# Allegro board DPU_PoE_A1_Sep27.brd (continued)
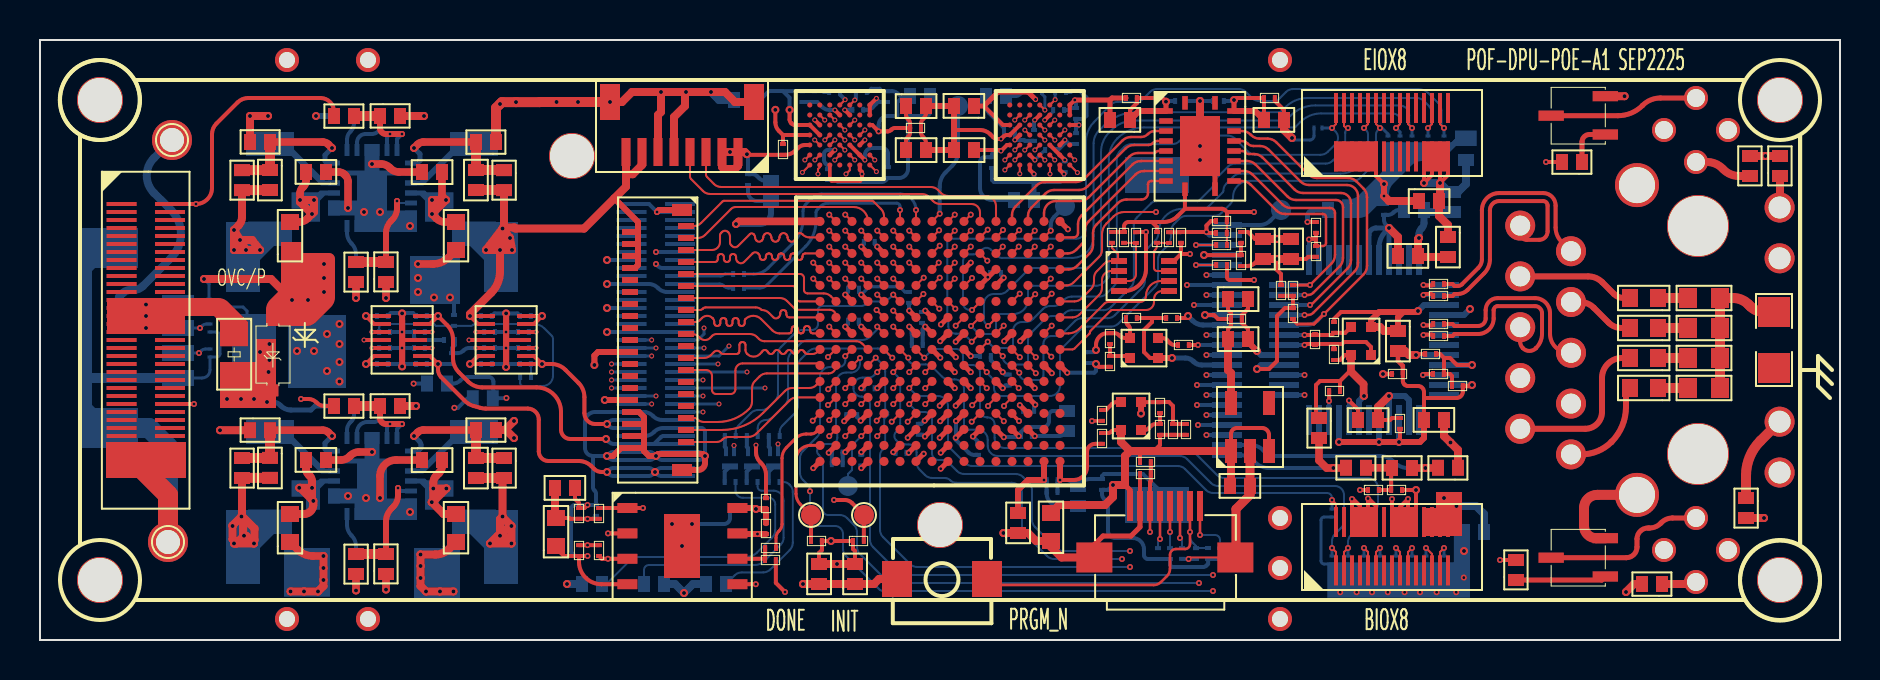
[diagram p0: board, top side]
## Routing (per net, layer and track width the routed paths; a pad name or vN(x,y) marks a point on that pad's centre or on a via; arc(x,y) is an arc through that point) (continued)
P1V0: length 113.5
  TOP w0.25: U7.D9 v1(44.23,10.96) ; U7.C7 v1(45.78,10.11) ; U7.C4 v1(48.94,10.19) ; v1(44.26,16.47) U7.K9 ; v1(43.46,15.67) U7.J10 ; v1(45.8,10.95) 45.82,10.95 U7.D7 ; U7.B15 v1(39.44,9.36) ; U7.H7 v1(46.54,14.19) ; U7.C5 v1(48.19,10.14)
  TOP w0.3: C60.2 48.9,7.5 49.4,8 v1(50.2,8) U7.A2
  TOP w0.4: v3(9.7,20.5) v3(9.7,19.5) ; v3(9.7,20.5) 9.93,20.73 arc(10.05,20.92) 10.1,21.14 R8.2 ; v3(9.7,20.5) v3(10,20) ; v3(9.7,19.5) v3(10.3,19.5) ; v3(9.7,19.5) v3(10,20) ; v3(10.3,19.5) v3(10,20) ; v3(10.3,19.5) v3(11,19.5) 10.6,20 v3(10,20)
  TOP w0.5: C15.2 11.49,22.5 R8.2
  VCC-4 w0.15: 44.96,13.39 45.1,13.25 45.1,12.65 44.62,12.17 44.62,11.42 44.53,11.33 ; 44.96,13.39 44.59,13.02 44.59,12.99 43.99,12.99 43.86,12.86 43.86,11.34 ; 44.96,13.39 44.62,13.73 44.62,14.37 44.78,14.53 46.17,14.53 46.19,14.52 ; 44.96,13.39 45.34,13.77 46.11,13.77 v1(46.54,14.19) ; v1(46.54,14.19) 46.98,14.63 46.98,16.12 47.29,16.44 47.29,16.66 46.8,17.15 44.78,17.15 44.26,16.63 v1(44.26,16.47) 44.56,16.17 45.93,16.17 46.19,15.91 46.19,14.52 ; v1(46.54,14.19) 46.51,14.19 46.19,14.52 ; 42.9,10.5 42.98,10.59 42.98,11.14 43.19,11.34 43.86,11.34 ; 42.9,10.5 43.77,10.5 v1(44.23,10.96) ; 42.9,10.5 42.4,10 ; 42.9,10.5 42.5,10.5 42.4,10.4 ; 42.4,10 42.4,10.4 ; 42.4,10 42.19,9.79 39.86,9.79 v1(39.44,9.36) 38.85,9.95 38.85,10.36 39.05,10.57 42.23,10.57 42.4,10.4 ; 43.86,11.34 v1(44.23,10.96) ; 44.53,11.33 45.42,11.33 v1(45.8,10.95) ; 44.53,11.33 44.23,11.04 v1(44.23,10.96) ; v1(44.23,10.96) 44.65,10.55 45.78,10.55
  VCC-4 w0.3: v1(45.8,10.95) 45.78,10.93 v1(45.78,10.11) 45.78,9.61 45.95,9.45 48.17,9.45 ; 48.17,9.45 48.94,9.45 ; 48.17,9.45 48.2,9.48 48.2,10.13 v1(48.19,10.14) ; 48.94,9.45 v1(48.94,10.19) ; 48.94,9.45 48.94,9.06 50,8 v1(50.2,8) ; v3(10.3,19.5) v3(11,19.5) 12.8,19.5 13.4,20.1 16.4,20.1 16.8,19.7 19.25,19.7 21.7,17.25 35.75,17.25 38.15,14.85 42.85,14.85 43.46,15.46 v1(43.46,15.67) v1(44.26,16.47) ; v3(10.3,19.5) v3(9.7,19.5) ; v3(10.3,19.5) 10,19.8 v3(10,20) 9.7,20.3 v3(9.7,20.5)
  BOTTOM w0.2: C134.2 39.59,9.36 C131.1 39.44,9.37 v1(39.44,9.36) ; 50.21,7.99 v1(50.2,8) ; 50.21,7.99 50.33,7.87 C136.1 50.33,7.33 arc(50.52,6.88) 50.96,6.7 C138.1 ; 50.21,7.99 C135.2 ; v1(43.46,15.67) 43.59,15.54 C111.1 43.59,15.34 C113.2 ; v1(46.54,14.19) 46.54,14.2 C116.1 ; v1(48.19,10.14) 48.2,10.15 48.89,10.15 v1(48.94,10.19) 48.94,10.29 49.3,10.65 50.15,10.65 arc(50.36,10.74) 50.45,10.95 50.45,11.25 arc(50.51,11.39) 50.65,11.45 C127.1 ; v1(45.8,10.95) 45.8,10.13 v1(45.78,10.11) 45.78,10.02 46.43,9.37 arc(46.56,9.29) 46.71,9.26 C130.2 ; v1(44.23,10.96) 44.08,10.81 C128.1 ; C105.1 44.2,16.4 v1(44.26,16.47)
P1V5: length 7.9
  TOP w0.2: C29.1 59.55,16.35 59.4,16.5 C34.1 ; C29.1 58.9,16.05 58.7,16.25 v3(58.25,16.25) ; C29.1 59.55,15.7 59.4,15.55 C48.1
  TOP w0.4: U8.5 59.55,13.35 59.4,13.5 C48.1
  BOTTOM w0.25: J6.10 v3(58.25,16.25)
P1V8: length 448.4
  TOP w0.102: 34.8,24.4 34.82,24.4 ; C18.2 C19.2 59.34,19.76 R16.1
  TOP w0.2: 47.2,26.7 48.15,25.75 U2.C1 ; R89.1 55,9.35 54.9,9.45 ; U2.D2 v2(48.74,25) ; 57.25,21.56 56.88,21.19 arc(56.56,20.98) 56.17,20.9 55.6,20.9 ; 57.25,21.56 57.25,22.45 57.25,22.45 U3.10 ; 57.25,21.56 59.1,21.56 arc(59.18,21.54) 59.26,21.49 59.35,21.4 ; J2.27 v3(70,22.85) 70.4,23.25 J2.29 ; v1(60.7,21.4) 59.35,21.4 ; 59.35,21.4 59.35,20.96 C18.2 ; v3(56.3,26.92) 56.12,27.1 C1.2 54.84,26.84 54.5,26.5 C7.1 ; C139.2 C47.2 R39.2 56,9.75 55.7,9.45 ; v3(37.48,26.5) 37.48,26.03 arc(37.5,25.93) 37.55,25.85 37.58,25.82 arc(37.66,25.77) 37.76,25.75 U1.C1 U1.D2 ; v2(51.24,24) U2.F6 U2.E5 ; U1.E1 38.25,24.75 arc(38.07,24.71) 37.91,24.61 37.77,24.47 arc(37.53,24.31) 37.25,24.26 C10.2 35.38,24.26 v3(35.35,24.29) ; C9.2 43.5,25.59 43.5,25.37 arc(43.48,25.26) 43.41,25.16 43.39,25.14 arc(43.32,25.04) 43.3,24.93 C11.1 ; C9.2 42.75,25.6 arc(42.66,25.58) 42.58,25.53 42.55,25.5 arc(42.47,25.45) 42.38,25.43 v1(41.93,25.43) 41.61,25.75 U1.C7 ; C9.2 43.5,25.61 43.5,25.83 arc(43.48,25.94) 43.41,26.04 43.39,26.06 arc(43.32,26.16) 43.3,26.27 C3.1 ; 55.6,20.9 54.43,20.9 arc(54.27,20.83) 54.2,20.67 R12.1 R11.1 ; 55.6,20.9 55.85,20.65 R14.1 ; U1.E5 U1.F6 v2(41.24,24) ; U2.F3 v2(49.74,24) ; U4.8 56.59,18.95 arc(56.69,18.97) 56.77,19.02 57.05,19.3 ; v3(57.4,16.2) 57.3,16.1 C31.1 ; C49.1 53.41,10.35 arc(53.49,10.37) 53.56,10.41 53.59,10.44 arc(53.66,10.48) 53.74,10.5 Y4.4 ; C146.2 40.75,4.45 40.65,4.55 R48.1 v3(39.55,4.95) R53.2 39.1,4.94 39.1,4.5 38.95,4.35 C66.2 ; U2.C7 v2(51.95,25.75) ; C22.2 57.05,19.3 ; 57.05,19.3 v1(57.5,19.3) ; C63.2 26.45,6.1 26.49,6.06 C59.2 v1(27.38,6.06) R51.2 ; v3(52.8,14.5) 52.8,14.76 arc(52.97,15.17) 53.39,15.34 R28.2 53.7,15.34 arc(53.84,15.32) 53.96,15.24 53.99,15.21 arc(54.11,15.13) 54.25,15.1 Y3.4 54.5,15.53 arc(54.48,15.64) 54.41,15.74 54.37,15.78 arc(54.32,15.86) 54.3,15.96 C30.1 ; J2.23 v3(69.2,22.85) 69.6,23.25 J2.25 ; U8.1 59.55,10.3 arc(59.64,10.51) 59.85,10.6 61.1,10.6 arc(61.35,10.5) 61.45,10.25 U8.3 ; U2.B5 v2(50.24,26) ; C12.2 48,24.5 v2(48.05,24.45) 48.35,24.75 U2.E1 ; C64.2 v1(27.38,4.74) R55.2 ; v1(60.7,18) 59.5,18 arc(59.39,18.04) 59.35,18.15 R17.1 ; U1.B5 v2(40.24,26.5) ; U1.F3 v2(39.74,24.5) ; U5.2 16.7,15.8 v3(16.3,16.2) U5.1
  TOP w0.25: v1(41.03,10.96) U7.D13 ; U7.E3 v1(49.77,11.77) ; v1(41.86,19.67) U7.P12 ; J5.8 54.5,7.5 54.25,7.75 ; U7.M6 47.35,18.08 47.35,18.1 v1(47.39,18.14) ; U7.K10 v1(43.46,16.47) ; U7.C8 v1(44.98,10.11) ; U7.F13 v1(41.06,12.59) ; v1(40.26,17.27) U7.L14 ; v1(41.06,15.67) U7.J13 ; v1(47.39,18.14) U7.N6 ; v1(47.39,18.14) 47.41,18.14 U7.N5 ; v1(46.54,13.39) U7.G7 ; C4.1 47.2,26.7 47.9,27.4 49.41,27.4 v2(49.78,27.03) ; U7.B13 v1(41.06,9.39) ; v1(48.21,14.94) U7.J4 ; v1(45.05,15.78) U7.K8 ; U3.2 v3(56.3,26.92) ; v1(48.14,12.59) U7.F5 ; U7.F8 v1(45.74,12.59) ; U7.F7 v1(46.54,12.59) ; v1(42.66,9.39) U7.B11
  TOP w0.3: C7.1 54.95,26.45 U3.2 ; R52.2 C57.1 v3(35.8,6.55) 35.75,6.6 U9.8 ; Y1.30 v3(28.24,12) ; v3(27.72,13.75) 27.72,14.22 27.9,14.4 Y1.22
  TOP w0.4: C89.1 70.4,20.75 69.95,21.2 C17.2 70,22 v3(70,22.85) ; v3(10.07,6.17) 10.1,6.2 R46.2 ; v3(10.07,6.17) 10.13,6.17 10.73,5.57 10.73,5 10.7,4.97 v3(10.7,4.83) ; v3(10.07,6.17) 10.1,6.15 10.1,5.97 10.15,5.92 10.15,5.26 v3(10.2,5.22) ; v3(10.07,6.17) 9.63,5.73 v3(9.63,5.7) 9.63,5.04 9.7,4.97 v3(9.7,4.83) 9.81,4.83 ; v3(10.2,5.22) 10.31,5.22 v3(10.7,4.83) ; v3(10.2,5.22) 9.81,4.83 ; C63.2 25.75,6.15 C55.2 ; 54.5,9.45 54.05,9.9 Y4.4 ; 54.5,9.45 54.25,9.2 54.25,7.75 v3(53.65,7.75) 53.65,7.15 53.25,6.75 50.95,6.75 C54.1 ; 54.5,9.45 U8.1 59.55,7.75 C65.2 ; 9.81,4.83 v3(10.7,4.83) ; C146.2 v3(39.85,3.8) C66.2 ; 34.8,24.4 v3(34.5,24.4) J1.2 34.1,23.65 34.2,23.55 34.75,23.55 34.9,23.7 J1.1 ; J1.1 34.82,24.4 ; J1.1 35.24,24.4 v3(35.35,24.29)
  TOP w0.5: C52.2 10.11,8.11 R46.2
  SIG-3 w0.3: 10.07,7.2 11.02,6.26 11.02,6.03 ; 10.07,7.2 10.07,7.2 ; 10.07,7.2 10.07,7.82 arc(10.43,8.69) 11.3,9.05 15.15,9.05 arc(15.5,9.2) 15.65,9.55 15.65,10.78 arc(15.76,11.35) 16.09,11.84 16.86,12.61 arc(17.19,13.1) 17.3,13.67 17.3,15.9 arc(17.21,16.11) 17,16.2 v3(16.3,16.2) ; 11.02,6.03 v3(10.2,5.22) ; 11.02,6.03 11.25,5.8 arc(11.34,5.59) 11.25,5.38 v3(10.7,4.83) ; v3(10.07,6.17) 10.07,6.18 10.07,7.2 ; 10.07,7.2 9.1,6.23 ; 9.1,6.23 v3(9.63,5.7) ; 9.1,6.23 8.92,6.05 arc(8.82,5.9) 8.79,5.73 8.79,5.48 arc(8.98,5.02) 9.44,4.83 v3(9.7,4.83)
  SIG-3 w0.4: 54.11,19.55 55.07,19.55 arc(55.84,19.7) 56.49,20.14 57.16,20.81 arc(57.81,21.25) 58.58,21.4 v1(60.7,21.4) v1(60.7,18) ; 54.11,19.55 54.11,15.94 54.17,15.88 ; 54.11,19.55 54.11,25.96 arc(54.39,26.64) 55.07,26.92 v3(56.3,26.92) 56.84,26.38 arc(57.37,26.02) 58,25.9 58.43,25.9 arc(59.2,25.75) 59.85,25.31 60.47,24.69 arc(61.12,24.25) 61.89,24.1 67.12,24.1 arc(67.89,23.95) 68.54,23.51 v3(69.2,22.85) v3(70,22.85) ; 54.17,15.88 56.89,15.88 arc(57.06,15.91) 57.21,16.01 v3(57.4,16.2) ; 54.17,15.88 v3(52.8,14.5)
  VCC-4 w0.102: v3(9.7,4.83) 9.81,4.83 ; v2(51.24,24) 50.89,23.65 50.09,23.65 v2(49.74,24) 49.75,24 50.2,24.45 51.03,24.45 51.24,24.24
  VCC-4 w0.127: 50.9,25.65 50.6,25.65 50.25,26 v2(50.24,26) 50.74,26.5 51.45,26.5 51.6,26.35 50.9,25.65
  VCC-4 w0.15: v1(48.14,12.59) 47.69,12.15 46.9,12.15 46.54,12.51 v1(46.54,12.59) ; v1(48.14,12.59) 48.56,12.17 49.36,12.17 v1(49.77,11.77) ; v1(48.14,12.59) 48.54,13 ; v1(46.54,12.59) 46.59,12.59 47,13 48.54,13 ; v1(46.54,12.59) v1(46.54,13.39) v1(45.74,12.59) v1(46.54,12.59) ; 40.91,13.16 41.5,13.75 43.6,13.75 43.81,13.96 43.81,14.52 45.05,15.74 v1(45.05,15.78) ; 42.26,19.27 v1(41.86,19.67) ; 42.26,19.27 46.9,19.27 47.19,19.55 47.52,19.55 47.95,19.12 47.95,18.7 v1(47.39,18.14) 47.04,18.49 44.56,18.49 44.4,18.65 43.98,18.65 43.5,18.17 43.5,17.25 43.12,16.87 43.06,16.87 ; 42.26,19.27 42.26,16.91 42.25,16.9 ; 43.06,16.87 v1(43.46,16.47) ; 43.06,16.87 42.28,16.87 42.25,16.9 ; 48.54,13 50.15,13 51.38,11.77 ; v1(41.03,10.96) 40.66,11.34 40.66,12.19 v1(41.06,12.59) ; 51.6,26.35 51.95,26 ; 42.25,16.9 42.23,16.88 41.28,16.88 40.86,16.46
  VCC-4 w0.16: v1(41.06,12.59) 41.06,12.59 41.46,12.19 41.46,11.39 v1(41.03,10.96)
  VCC-4 w0.2: 43.95,8.3 44.61,8.96 44.61,9.74 v1(44.98,10.11) ; v1(49.77,11.77) 51.38,11.77 ; 40.91,13.16 41.06,13.01 v1(41.06,12.59) ; v2(51.24,24) 51.24,24.24 51.95,24.95 v2(51.95,25.75) 51.95,26 52,26 52.85,26.85 ; v1(42.66,9.39) 42.66,9 ; 42.66,9 41.46,9 v1(41.06,9.39) ; 42.66,9 42.66,8.59 42.95,8.3
  VCC-4 w0.25: 47.85,25.89 48.01,25.89 48.74,25.16 v2(48.74,25) ; 47.85,25.89 47.39,25.89 47.05,25.55 47.05,24.85 47.45,24.45 v2(48.05,24.45) ; 47.85,25.89 47.85,27 ; v3(34.5,24.4) 35.24,24.4 v3(35.35,24.29) 35.56,24.5 37.25,24.5 ; 37.25,24.5 37.48,24.73 v3(37.48,26.5) 38.21,26.5 39.28,27.58 42.3,27.58 42.9,26.98 42.9,26.25 ; 37.25,24.5 v2(39.74,24.5) ; 37.15,7.35 37.15,8.25 37.75,8.85 37.75,12.05 39,13.3 40.77,13.3 40.91,13.16 ; 42.9,26.25 41.93,26.25 ; 42.9,26.25 43.95,26.25 44.7,27 47.85,27 ; 41.93,26.25 41.68,26.5 v2(40.24,26.5) ; 41.93,26.25 v1(41.93,25.43) 41.93,24.93 41.24,24.24 v2(41.24,24) ; 47.85,27 49.75,27 v2(49.78,27.03)
  VCC-4 w0.3: v1(27.38,4.74) 27.38,5.45 ; 27.38,5.45 v1(27.38,6.06) ; 27.38,5.45 26.45,5.45 25.65,6.25 25.65,8.05 ; 49.45,16.6 49.5,16.55 49.5,16.25 48.75,15.5 48.7,15.5 48.21,15.01 v1(48.21,14.94) ; 49.45,16.6 51.3,16.6 ; 49.45,16.6 48.5,16.6 47.39,17.71 v1(47.39,18.14) ; 51.3,16.6 52.5,16.6 53.1,16 ; 51.3,16.6 52,15.9 52,12.38 51.38,11.77 51.38,9.41 51.98,8.82 51.98,8.25 ; v2(49.78,27.03) 50.35,27.6 52.1,27.6 52.85,26.85 52.91,26.92 v3(56.3,26.92) ; 25.65,8.05 22.8,8.05 20.1,5.35 17.3,5.35 17,5.65 13.1,5.65 12.95,5.5 10.75,5.5 10.7,5.55 ; 25.65,8.05 27.1,8.05 27.65,7.5 35.4,7.5 ; v3(10.7,4.83) 10.31,5.22 v3(10.2,5.22) ; v3(10.7,4.83) 10.7,5.55 ; v3(10.7,4.83) 9.81,4.83 v3(10.2,5.22) ; 53.1,16 52.8,15.7 v3(52.8,14.5) ; 53.1,16 56,16 56.3,16.3 56.3,17.3 ; 51.98,8.25 51.98,7.38 51.4,6.8 48.85,6.8 47.75,7.9 44.35,7.9 43.95,8.3 42.9,8.3 40.7,6.1 39.55,6.1 ; 51.98,8.25 52.48,7.75 v3(53.65,7.75) ; 10.7,5.55 v3(10.07,6.17) ; v3(10.2,5.22) 10.07,5.34 v3(10.07,6.17) ; 35.4,7.5 35.8,7.1 35.8,6.55 v3(35.8,6.55) ; 35.4,7.5 37,7.5 38.4,6.1 39.55,6.1 ; v1(40.26,17.27) 40.26,17.06 41.06,16.26 v1(41.06,15.67) ; v1(60.7,18) v1(60.7,21.4) 57.6,21.4 56.3,20.1 56.3,18.5 ; v3(9.7,4.83) 9.63,4.9 v3(9.63,5.7) 9.63,5.73 v3(10.07,6.17) ; 39.55,6.1 v3(39.55,4.95) ; 56.3,17.3 v3(57.4,16.2) ; 56.3,17.3 56.3,18.5 ; 56.3,18.5 57.1,19.3 v1(57.5,19.3)
  BOTTOM w0.102: 58.41,4.05 R50.2
  BOTTOM w0.15: v2(49.74,24) 50.24,24.5 C83.2 ; C76.2 50.66,26.42 v2(50.24,26)
  BOTTOM w0.2: v1(41.93,25.43) 41.93,25.73 arc(42.07,26.06) 42.4,26.2 C78.2 42.86,26.87 43.17,27.19 ; v1(41.06,15.67) 40.94,15.79 C106.2 ; C117.2 52.69,14.39 v3(52.8,14.5) ; 37.15,27.44 37.48,27.12 v3(37.48,26.5) ; 37.15,27.44 C72.2 C71.2 39.16,27.44 39.2,27.4 R64.2 ; 37.15,27.44 37.14,27.45 36.45,27.45 36,27 C6.2 ; C99.2 40.41,17.41 v1(40.26,17.27) ; C87.2 39.4,23.7 39.29,23.81 arc(39.22,23.91) 39.2,24.02 39.2,24.3 arc(39.26,24.44) 39.4,24.5 39.74,24.5 v2(39.74,24.5) ; C140.2 v3(35.8,6.55) ; C68.1 43.49,27.19 43.17,27.19 ; v2(51.24,24) 51.24,24 C85.2 ; v2(41.24,24) 41.24,24.24 arc(41.35,24.5) 41.6,24.6 42.1,24.6 arc(42.31,24.51) 42.4,24.3 C86.2 ; v1(27.38,6.06) 27.38,6.05 27.64,6.05 C141.2 ; 43.17,27.19 arc(43.02,27.22) 42.89,27.31 42.86,27.34 arc(42.74,27.42) 42.6,27.44 C70.2 42.1,27.44 41.98,27.56 41.57,27.56 41.41,27.4 R63.1 ; C79.2 48.74,25 v2(48.74,25) 49.2,25 49.24,24.96 C80.2 ; R61.1 51.54,27.4 51.59,27.45 51.99,27.45 52.32,27.13 52.32,26.21 52.16,26.05 51.81,26.05 C77.2 51.8,25.9 v2(51.95,25.75) 51.8,25.6 C81.2 ; v3(56.3,26.92) 56.33,26.95 C74.2 ; C67.1 48.78,27.2 arc(48.89,27.22) 48.99,27.29 49.01,27.31 arc(49.11,27.38) 49.22,27.4 R62.2 49.56,27.25 v2(49.78,27.03) ; v1(47.39,18.14) 47.51,18.26 C96.2 ; R85.1 58.41,4.05 58.41,3.81 58.31,3.71 arc(58.24,3.67) 58.16,3.65 56.6,3.65 56.5,3.75 R87.1 R88.1 55.4,4.05 arc(55.26,4.11) 55.2,4.25 55.2,4.54 arc(55.03,4.93) 54.64,5.1 53.75,5.1 arc(53.5,5.2) 53.4,5.45 53.4,6.66 arc(53.36,6.84) 53.26,6.99 53.21,7.04 arc(53.13,7.16) 53.1,7.31 C137.2 53.41,7.51 v3(53.65,7.75) ; v1(41.86,19.67) 41.74,19.79 C94.1 ; C126.2 40.86,11.14 v1(41.03,10.96) ; v3(35.35,24.29) 35.4,24.24 C88.2 35.6,23.29 arc(35.74,23.26) 35.87,23.18 35.95,23.09 arc(36.12,22.99) 36.3,22.95 C69.1 ; C104.1 v3(16.3,16.2) ; C75.2 40.24,26.51 v2(40.24,26.5) ; C100.2 43.45,16.48 v1(43.46,16.47) ; C124.2 41.07,12.59 v1(41.06,12.59) ; C90.1 47.6,22 arc(47.18,22.18) 47,22.6 47,23.9 arc(47.07,24.07) 47.24,24.14 C84.2 47.6,24.25 arc(47.66,24.39) 47.8,24.45 v2(48.05,24.45) ; v1(41.06,9.39) 41.06,9.27 C133.2 ; v1(48.14,12.59) 48.27,12.73 C123.2 ; C125.2 49.7,11.7 v1(49.77,11.77) ; C132.2 42.7,9.36 v1(42.66,9.39)
  BOTTOM w0.25: v3(57.4,16.2) 57.64,15.96 arc(57.87,15.8) 58.15,15.75 J6.11
  BOTTOM w0.4: v3(69.2,22.85) v3(70,22.85) 70.45,22.4 C5.2 70.9,22.4 71.3,22.8 C82.1
P2V8: length 96.2
  TOP w0.2: C24.1 60.75,20.05 60.4,20.4 FB1.1 ; J4.16 v1(67.6,7.05) ; J4.20 v1(68.4,7.05) 68,6.65 J4.18 ; FB3.1 v3(68.8,7.5) J4.22
  TOP w0.4: v3(23,5.22) 22.89,5.22 v3(22.5,4.83) v3(23.57,4.83) ; v3(23,5.22) 23,6.05 v3(23.13,6.17) ; v3(23,5.22) 23.48,5.7 v3(23.57,5.7) ; v3(23,5.22) 23.18,5.22 v3(23.57,4.83) ; C24.1 v3(61.85,20.05) C23.2 ; R47.2 23.13,8.03 v3(23.13,6.17) ; v3(23.57,5.7) 23.13,6.15 v3(23.13,6.17) ; v3(23.57,5.7) v3(23.57,4.83)
  TOP w0.5: C53.2 R47.2
  VCC-4 w0.3: v3(22.5,4.83) 22.5,5.6 23.07,6.17 v3(23.13,6.17) 23.13,6.15 ; v3(22.5,4.83) 22.89,5.22 v3(23,5.22) ; v3(22.5,4.83) v3(23.57,4.83) ; 59.6,10.95 65.5,10.95 66,10.45 66,9.2 67.55,7.65 67.55,7.1 v1(67.6,7.05) v1(68.4,7.05) 68.4,7.1 v3(68.8,7.5) ; 59.6,10.95 59.6,15.4 60.15,15.95 61.85,15.95 62.15,16.25 62.15,17.95 62.8,18.6 62.8,19.5 62.25,20.05 v3(61.85,20.05) ; 59.6,10.95 59.6,8.85 58,7.25 55.25,7.25 50.75,2.75 39.65,2.75 38.4,4 33.75,4 33.25,3.5 32.4,3.5 ; 32.4,3.5 30.4,3.5 29.7,2.8 v3(26.35,2.8) 25.4,2.8 23.57,4.63 v3(23.57,4.83) ; 32.4,3.5 32.4,2.55 v3(32.2,2.35) ; v3(23,5.22) 23.13,5.34 23.13,6.15 ; v3(23,5.22) 23.09,5.22 ; 23.13,6.15 v3(23.57,5.7) ; v3(23.57,5.7) 23.09,5.22 ; v3(23.57,5.7) v3(23.57,4.83) ; v3(23.57,4.83) 23.18,5.22 23.09,5.22
  BOTTOM w0.4: D19.2 31.75,2.8 v3(32.2,2.35) 32.65,2.8 D17.2 ; D18.2 v3(26.35,2.8)
P3V3: length 213.7
  TOP w0.2: v3(59.7,27) 59.8,27.1 C2.1 C8.2 ; U6.1 v3(21.5,16.2) 21.9,15.8 U6.2 ; J4.30 70.4,6.5 70.6,6.7 v3(70.82,6.7) ; J4.28 70,6.9 v3(70.2,7.1) ; U6.7 v3(21.5,13.8) 21.9,14.2 U6.6 ; R10.1 v1(63.37,20.9) ; C27.2 R21.2 R24.2 62.64,16.6 62.25,16.6 61.85,16.2 61.85,13.95 61.45,13.55 v3(60.85,13.55)
  TOP w0.22: FB2.1 v3(67.15,13.3)
  TOP w0.25: U3.19 v3(59.7,27)
  TOP w0.3: 29.9,19.8 29.9,19.2 ; 29.9,19.8 29.9,20.4 ; 29.9,19.8 Y1.4 ; 29.9,19.2 29.9,18.75 29.75,18.6 Y1.8 ; 29.9,19.2 Y1.6 ; 29.9,20.4 Y1.2 ; 29.9,20.4 29.9,20.9 28.72,22.08 ; U3.19 60.75,26.45 C8.2
  TOP w0.4: v3(23.5,20.1) v3(23,19.5) ; v3(23.5,20.1) v3(23.13,20.57) ; v3(23.5,20.1) v3(23.6,19.5) v3(23,19.5) ; v3(23.5,20.1) v3(22.3,19.5) ; v3(23,19.5) v3(22.3,19.5) ; v3(23,19.5) 23,18.42 arc(22.89,17.85) 22.56,17.36 21.5,16.3 v3(21.5,16.2) ; v3(23,19.5) v3(23.13,20.57) ; 29.3,23.29 J1.8 ; 29.3,23.29 29.64,23.29 30.1,23.75 J1.7 ; 29.3,23.29 29.3,22.67 27.2,20.57 23.77,20.57 23.72,20.63 23.28,20.63 23.23,20.57 v3(23.13,20.57) ; v3(23.13,20.57) v3(22.3,19.5) ; v3(23.13,20.57) 23.2,20.65 R9.2 ; R7.2 v3(86.27,24.2) R6.2 ; v3(79.3,2.4) 79.7,2.8 R60.2 ; v3(67.45,20.6) 67.9,20.15 C40.2 ; R49.2 v3(86.2,6.1)
  TOP w0.5: R9.2 23.2,22.5 C16.2
  SIG-3 w0.3: v3(21.5,16.2) arc(20.86,15.94) 20.6,15.3 20.6,14.7 arc(20.86,14.06) v3(21.5,13.8)
  SIG-3 w0.4: 26.91,20.77 26.88,20.8 26.13,20.8 ; 26.91,20.77 27.43,20.77 30.74,24.08 32.44,24.08 36.15,27.79 58.97,27.79 59.7,27.06 v3(59.7,27) ; 26.91,20.77 24.89,18.75 23.49,18.75 23,19.24 v3(23,19.5) ; v3(22.3,19.5) 22.3,21.15 23.05,21.9 25.03,21.9 26.13,20.8 ; v3(23.13,20.57) 23.13,20.68 23.78,21.33 24.54,21.33 25.07,20.8 ; 25.07,20.8 24.54,20.8 23.84,20.1 v3(23.5,20.1) ; 25.07,20.8 25.07,20.1 24.47,19.5 v3(23.6,19.5) ; 25.07,20.8 26.13,20.8
  VCC-4 w0.3: v3(59.7,27) 60.7,26 60.7,24.3 ; v3(79.3,2.4) 79.3,3 75.7,6.6 70.92,6.6 v3(70.82,6.7) 70.42,7.1 v3(70.2,7.1)
  VCC-4 w0.35: 85.3,23.4 86.1,24.2 v3(86.27,24.2)
  VCC-4 w0.38: v3(60.85,13.55) 62.15,13.55 62.6,14 64.85,14 65.55,13.3 v3(67.15,13.3) ; 71.7,6.6 71.7,10.6 70.55,11.75 69.25,11.75 67.7,13.3 v3(67.15,13.3) ; v3(67.15,13.3) 67.15,16.85 67.45,17.15 v3(67.45,20.6) 67.35,20.5 65.7,20.5 65.3,20.9 v1(63.37,20.9) 63.37,21.63 60.7,24.3 ; v3(23,19.5) v3(23.6,19.5) 23.6,20 v3(23.5,20.1) ; v3(23,19.5) 23.5,20 v3(23.5,20.1) ; v3(23,19.5) v3(22.3,19.5) 22.3,19.75 v3(23.13,20.57) 23.13,20.47 v3(23.5,20.1)
  VCC-4 w0.4: 85.33,15.47 85.33,16.54 85.3,16.57 85.3,23.4 ; 85.33,15.47 84.42,14.56 81.29,14.56 78.99,12.26 78.99,9.29 76,6.3 ; 85.33,15.47 85.33,6.97 v3(86.2,6.1)
  BOTTOM w0.2: C102.1 v3(21.5,16.2) ; C73.2 59.65,26.95 v3(59.7,27) ; v3(67.45,20.6) 67.31,20.74 arc(67.23,20.86) 67.2,21.01 C91.2 67.4,21.26 arc(67.54,21.28) 67.66,21.36 67.69,21.39 arc(67.81,21.47) 67.95,21.5 C92.1 ; C119.1 v3(21.5,13.8)
  BOTTOM w0.25: v3(67.45,20.6) 67.29,20.44 arc(67.04,20.06) 66.95,19.62 U12.44 ; v3(67.45,20.6) 66.8,20.6 arc(66.55,20.5) 66.45,20.25 U12.43 ; v3(67.45,20.6) U12.45 ; C93.1 63.7,21.5 arc(63.47,21.4) 63.37,21.17 v1(63.37,20.9)
  BOTTOM w0.3: U12.28 61.05,13.75 v3(60.85,13.55)
  BOTTOM w0.4: C142.1 72.2,6.3 71.8,6.7 v3(70.82,6.7) 70.6,6.7 v3(70.2,7.1)
P3V3A: length 28.6
  TOP w0.2: 69.2,12.1 C45.2 ; 69.2,12.1 69.2,12.4 arc(69.11,12.61) 68.9,12.7 68.39,12.7 arc(68.31,12.72) 68.24,12.76 68.21,12.79 arc(68.16,12.86) 68.14,12.95 FB2.2 ; 69.2,12.1 70.82,12.1 arc(71.05,12.2) 71.14,12.43 C41.2 ; v3(67.95,9.9) 68,9.95 C46.2 ; C37.2 68.85,14.3 v3(68.8,14.25)
  TOP w0.22: C36.2 67.9,13.95 68.14,13.71 FB2.2 ; v3(71.6,12.75) 71.55,12.7 C41.2
  TOP w0.3: v3(64.95,9.9) v3(66.95,9.9) v3(67.95,9.9) 69,9.9 69.2,10.1 C45.2
  TOP w0.4: v3(68.8,14.25) 68.45,14.25 68.25,14.45 C36.2
  SIG-3 w0.4: v3(71.6,12.75) 71.25,12.75 69.75,14.25 ; 69.75,14.25 71.5,16 v3(71.5,16.55) ; 69.75,14.25 v3(68.8,14.25)
  BOTTOM w0.3: U12.11 v3(71.6,12.75) ; v3(71.5,16.55) 71.2,16.25 U12.4 ; U12.17 v3(66.95,9.9) ; U12.21 v3(64.95,9.9) ; U12.15 v3(67.95,9.9) ; U12.8 v3(68.8,14.25)
P5V0: length 133.9
  TOP w0.2: U6.4 v2(21.45,15) ; U5.7 v3(16.3,13.8) 16.7,14.2 U5.6 ; U5.4 v2(16.2,15)
  TOP w0.38: v3(13.6,21.3) 13.37,21.07 arc(13.18,20.95) 12.96,20.9 C20.2 ; R18.1 v3(17.3,17.1) ; R57.1 v3(17.3,2.52) ; C14.2 20.1,22.2 v3(20.3,22) ; v3(19.6,21.3) 19.83,21.07 arc(20.02,20.95) 20.24,20.9 C21.2 ; v3(13,22) 13,22.33 arc(13.03,22.49) 13.12,22.62 13.18,22.68 arc(13.27,22.81) 13.3,22.97 C13.2
  TOP w0.4: 20.32,7.57 v3(19.66,7.57) ; 20.32,7.57 19.63,6.89 v3(19.59,6.89) ; 20.32,7.57 v3(20.32,7.58) ; v3(19.66,7.57) 19.66,7.86 arc(19.7,8.05) 19.81,8.21 19.95,8.35 arc(20.06,8.52) 20.1,8.71 C51.2 ; v3(19.66,7.57) 19.66,6.97 v3(19.59,6.89) ; v3(13.6,7.61) 13.6,7.93 arc(13.57,8.09) 13.48,8.22 13.42,8.28 arc(13.33,8.41) 13.3,8.57 C50.2 ; v3(13.6,7.61) 13.6,7.61 13.01,7.61 ; v3(13.6,7.61) 13.6,7.02 ; R35.2 v3(18.8,11.7) ; R1.2 v3(19.2,26.2) ; 13.6,7.02 13.01,7.61 ; 13.6,7.02 v3(13.67,6.95) 13.67,6.77 arc(13.53,6.44) 13.2,6.3 C61.2 ; 13.01,7.61 v3(12.96,7.61) ; v3(19.59,6.89) 20.18,6.3 C62.2 ; v3(13,22) v3(13.7,22) 13.7,21.4 v3(13.6,21.3) 13,21.9 v3(13,22) ; v3(19.6,22) v3(20.3,22) v3(19.6,21.3) v3(19.6,22)
  SIG-3 w0.4: v3(17.3,2.52) 17.3,4.8 arc(17.12,5.22) 16.7,5.4 14.2,5.4 arc(13.82,5.56) 13.67,5.93 v3(13.67,6.95) 13.67,7.54 v3(13.6,7.61) 13.6,7.61 v3(12.96,7.61)
  VCC-4 w0.102: v3(20.32,7.58) 20.32,7.57
  VCC-4 w0.2: v3(17.3,17.1) 17.3,14.1 17,13.8 v3(16.3,13.8) 15.79,14.31 15.79,14.59 v2(16.2,15) ; v2(21.45,15) 21.15,15 20.7,14.55 20.7,12.4 20,11.7 v3(18.8,11.7)
  VCC-4 w0.3: 12.96,10.35 12.96,10.56 13.75,11.35 15.91,11.35 16.26,11.7 16.26,12.35 ; 12.96,10.35 12.15,10.35 11.3,11.2 11.3,11.85 v3(11.35,11.9) ; 12.96,10.35 v3(12.96,7.61) ; v3(13.6,21.3) 13.6,21.4 ; v3(19.66,7.57) 19.63,7.57 18.8,8.4 14.39,8.4 v3(13.6,7.61) ; v3(19.66,7.57) 19.59,7.5 v3(19.59,6.89) 19.63,6.89 20.32,7.57 v3(19.66,7.57) ; 18.9,22.7 14.4,22.7 v3(13.7,22) ; 18.9,22.7 v3(19.6,22) ; 18.9,22.7 19.6,22.7 v3(20.3,22) ; v3(20.3,22) v3(19.6,22) ; v3(20.3,22) v3(19.6,21.3) v3(19.6,22) ; v3(13.6,7.61) 13.6,7.61 v3(12.96,7.61) ; v3(13.6,7.61) 13.6,7.02 v3(13.67,6.95) 13.62,6.95 v3(12.96,7.61) ; v3(18.8,11.7) 18.15,12.35 16.26,12.35 ; 16.26,12.35 16.26,13.76 v3(16.3,13.8)
  VCC-4 w0.38: 11.07,14.4 v3(11.47,14.8) v3(11.47,14) ; 11.07,14.4 v3(11.47,14) ; 11.07,14.4 v3(11,14.4) 10.9,14.3 10.9,13.95 11.43,13.42 v3(11.43,13.4) ; v3(11.47,14) 11.47,13.45 v3(11.43,13.4) ; v3(10.7,12.05) v3(10.05,12.05) v3(9.35,12.05) ; v3(10.7,12.05) 10.85,11.9 v3(11.35,11.9) 11.43,11.98 11.43,12.78 ; v3(10.7,12.05) 11.43,12.78 ; v3(11.43,13.4) 11.43,12.78
  VCC-4 w0.4: v3(13,22) 12.95,21.95 9.35,21.95 6.8,19.4 6.8,17.35 7.4,16.75 9.52,16.75 v3(11.47,14.8) ; v3(13,22) 13.6,21.4 13.6,21.9 v3(13.7,22) v3(13,22) ; v3(13,22) 13,25.4 v3(13.8,26.2) 14.05,26.45 18.95,26.45 v3(19.2,26.2)
  BOTTOM w0.15: C107.2 10.35,16.45 10.15,16.65 D20.2 8.13,16.65 arc(8.01,16.67) 7.91,16.74 7.89,16.76 arc(7.79,16.83) 7.67,16.85 J8.4
  BOTTOM w0.2: C121.1 v3(16.3,13.8)
  BOTTOM w0.25: R76.2 13.75,11.7 13.55,11.5 12.54,11.5 arc(12.27,11.55) 12.04,11.71 12.01,11.74 arc(11.83,11.86) 11.63,11.9 v3(11.35,11.9)
  BOTTOM w0.3: R65.2 v3(13.8,26.2) ; v3(19.2,26.2) R1.2
  BOTTOM w0.38: R57.1 v3(17.3,2.52) ; R18.1 v3(17.3,17.1)
  BOTTOM w0.4: R35.2 v3(18.8,11.7)
P5V0_IN: length 15.9
  BOTTOM w0.4: 3.9,16.2 3.9,16.73 3.95,16.77 ; 3.9,16.2 v3(5.3,16.2) ; 3.9,16.2 3.9,16 4.3,15.6 v3(5.3,15.6) ; 3.95,16.77 3.95,17.15 4.15,17.35 arc(4.32,17.46) 4.51,17.5 4.67,17.5 arc(4.93,17.55) 5.15,17.7 6.55,19.1 arc(7.05,20.3) 6.55,21.5 5.7,22.35 arc(5.34,23.23) 5.7,24.1 TP1.1 ; 3.95,16.77 v3(5.3,16.77)
ACTLED: length 30.1
  SIG-6 w0.15: v1(63.23,13.25) 64.34,13.25 arc(64.53,13.29) 64.7,13.4 66.05,14.75 arc(66.16,14.92) 66.2,15.11 66.2,17.19 arc(66.24,17.38) 66.35,17.55 67.65,18.85 arc(67.82,18.96) 68.01,19 69.89,19 arc(70.08,19.04) 70.25,19.15 70.35,19.25 arc(70.52,19.36) 70.71,19.4 74.59,19.4 arc(74.65,19.39) 74.69,19.36 75.91,18.14 arc(75.97,18.1) 76.04,18.09 78.21,18.09 arc(78.4,18.05) 78.55,17.95 78.95,17.55 arc(79.12,17.44) 79.31,17.4 85.08,17.4 arc(85.28,17.44) 85.44,17.55 U13.12
  BOTTOM w0.2: U12.27 v1(63.23,13.25)
BIO-1: length 48.2
  TOP w0.102: v1(43.46,11.79) U7.E10 ; v1(70.2,4.6) 70,4.4 J4.27
  SIG-6 w0.102: v1(70.2,4.6) 70.2,4.91 arc(70.28,5.12) 70.49,5.2 71.29,5.2 arc(71.48,5.24) 71.65,5.35 71.9,5.6 arc(72.01,5.77) 72.05,5.96 72.05,9.94 arc(72.01,10.13) 71.9,10.3 71.35,10.85 arc(71.18,10.96) 70.99,11 63.26,11 arc(63.07,10.96) 62.9,10.85 arc(62.87,10.83) 62.83,10.82 60.58,10.82 arc(60.39,10.78) 60.22,10.67 58.65,9.1 arc(58.54,8.93) 58.5,8.74 58.5,5 arc(58.37,4.68) 58.05,4.55 57.91,4.55 arc(57.85,4.54) 57.81,4.51 57.79,4.49 arc(57.75,4.46) 57.69,4.45 57.34,4.45 57.29,4.4 57.21,4.4 57.1,4.29 arc(56.99,4.22) 56.87,4.19 55.18,4.19 arc(55.02,4.22) 54.89,4.31 54.83,4.37 arc(54.74,4.43) 54.64,4.45 v1(54.5,4.45)
  BOTTOM w0.102: v1(43.46,11.79) 43.71,11.55 arc(43.87,11.44) 44.07,11.4 44.24,11.4 arc(44.49,11.29) 44.6,11.04 44.6,9.34 arc(44.7,9.1) 44.94,9 45.09,9 arc(45.28,8.96) 45.45,8.85 45.85,8.45 arc(46.02,8.34) 46.21,8.3 48.79,8.3 arc(48.98,8.26) 49.15,8.15 49.45,7.85 arc(49.56,7.68) 49.6,7.49 49.6,6.01 arc(49.64,5.82) 49.75,5.65 50.8,4.6 arc(50.97,4.49) 51.16,4.45 v1(54.5,4.45)
  BOTTOM w0.15: D16.2 v1(70.2,4.6)
BIO-2: length 26.8
  TOP w0.102: J4.2 64.8,6.8 v1(64.6,7) ; v1(43.46,12.59) U7.F10
  BOTTOM w0.102: v1(43.46,12.59) 43.71,12.35 arc(43.87,12.24) 44.07,12.2 44.89,12.2 arc(45.25,12.05) 45.4,11.69 45.4,9.91 arc(45.44,9.72) 45.55,9.55 46.25,8.85 arc(46.42,8.74) 46.61,8.7 56.89,8.7 arc(57.08,8.66) 57.25,8.55 58.3,7.5 arc(58.47,7.39) 58.66,7.35 64.35,7.35 arc(64.53,7.28) 64.6,7.1 v1(64.6,7)
  BOTTOM w0.15: D10.2 v1(64.6,7)
BIO-3: length 51
  TOP w0.102: v1(69.3,4.6) 69.6,4.3 J4.25 ; v1(42.66,13.39) U7.G11
  SIG-6 w0.102: v1(54.1,4.05) 54.6,4.05 arc(54.69,4.03) 54.77,3.98 54.99,3.76 arc(55.06,3.71) 55.13,3.66 55.27,3.6 arc(55.37,3.56) 55.48,3.55 57.43,3.55 arc(57.63,3.59) 57.79,3.7 58.24,4.15 arc(58.43,4.19) 58.6,4.3 58.85,4.55 arc(58.96,4.72) 59,4.91 59,8.54 arc(59.04,8.73) 59.15,8.9 60.1,9.85 arc(60.27,9.96) 60.46,10 62.59,10 arc(62.78,10.04) 62.95,10.15 63.2,10.4 arc(63.37,10.51) 63.56,10.55 70.69,10.55 arc(70.88,10.51) 71.05,10.4 71.45,10 arc(71.56,9.83) 71.6,9.64 71.6,6.26 arc(71.45,5.9) 71.09,5.75 70.06,5.75 arc(69.87,5.71) 69.7,5.6 69.45,5.35 arc(69.34,5.18) 69.3,4.99 v1(69.3,4.6)